# Altium PCB AMC_Box_Mainboard.PcbDoc (part 1 of 8)
Units mil, origin at the board's own origin, x right, y up, seen from the top; angles counter-clockwise.
Board outline 2795.28 x 7874.02 mil, 4 copper layers (TOP, GND, PWR, BTM), stack 63.701 mil thick; 505 components, 378 nets, 1991 pads, 997 vias.
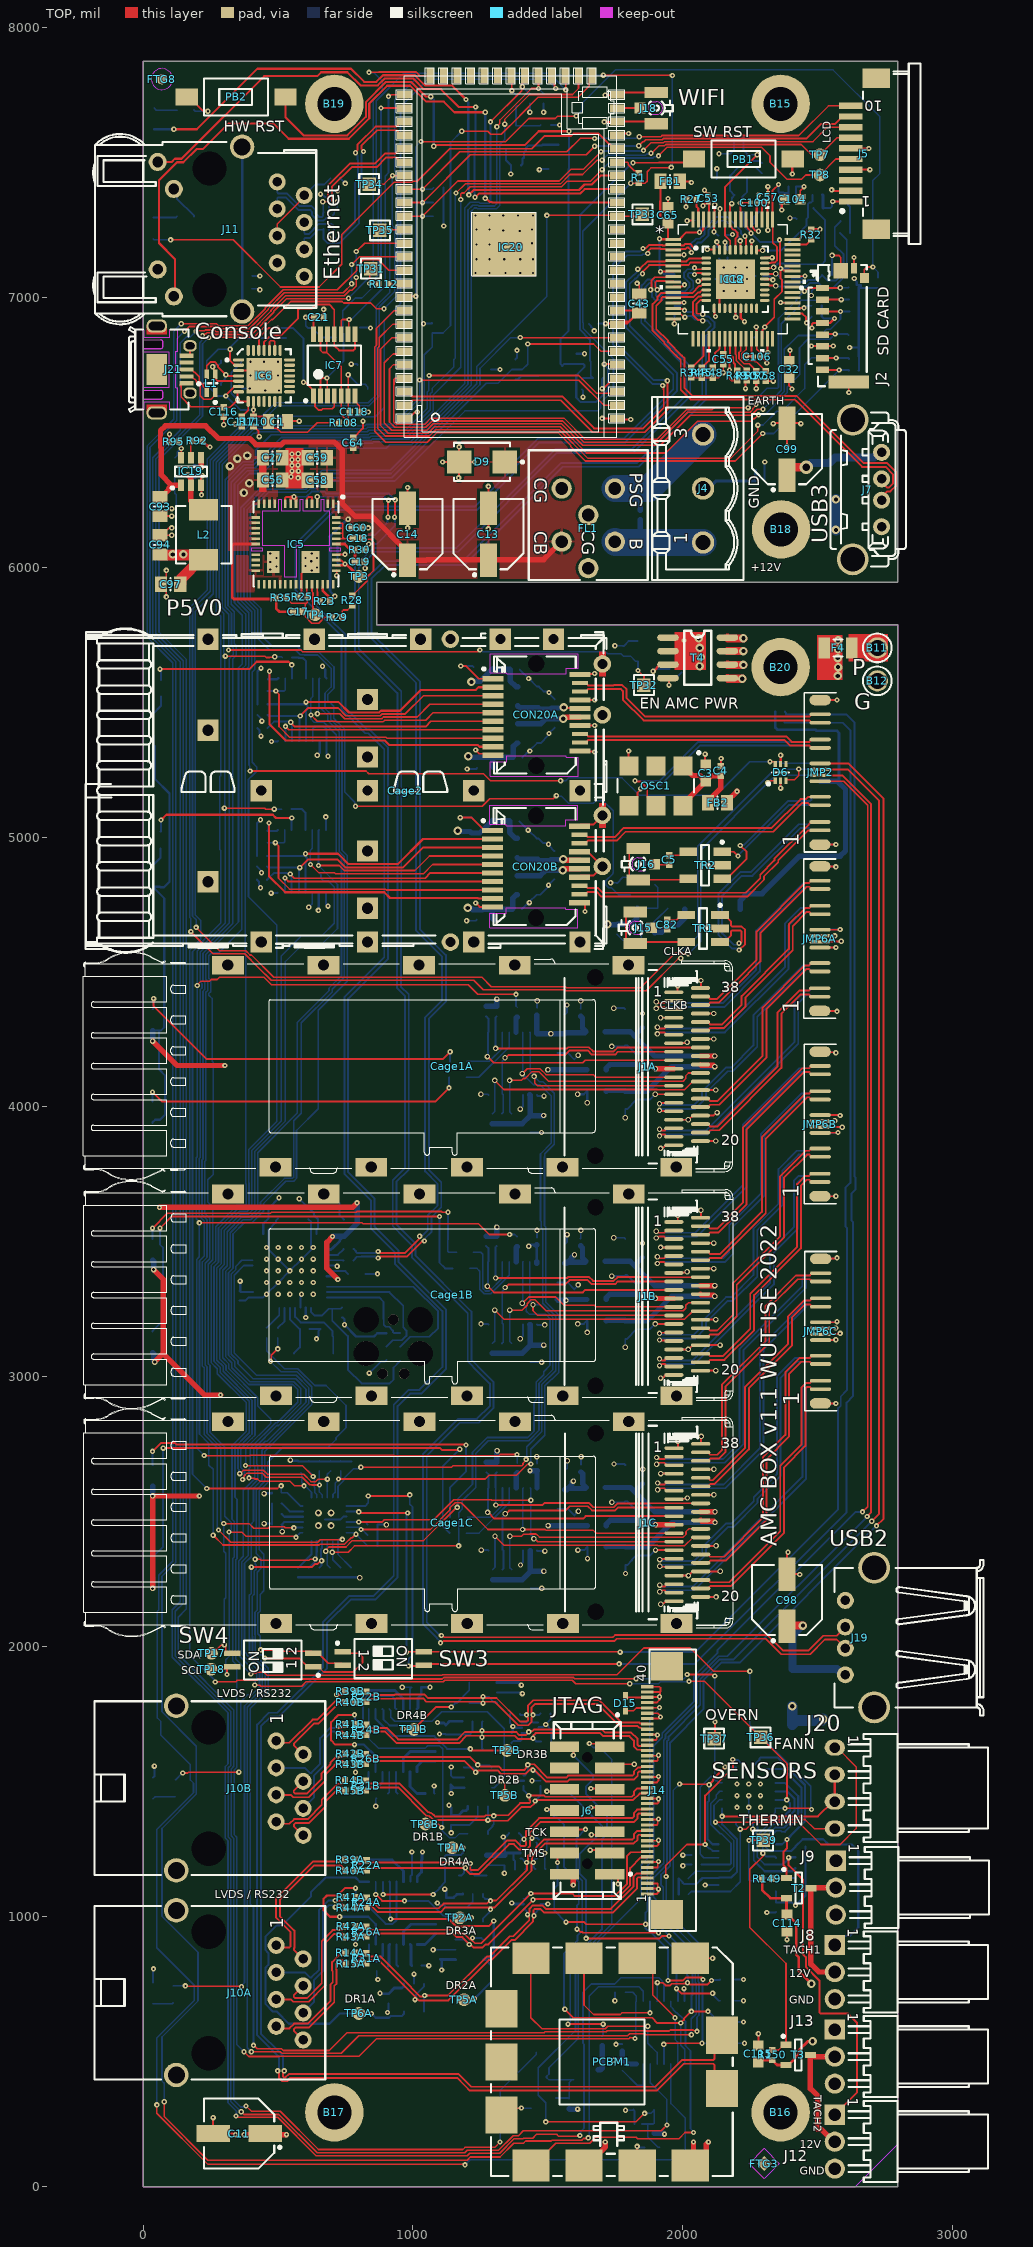
[diagram p0: TOP view]
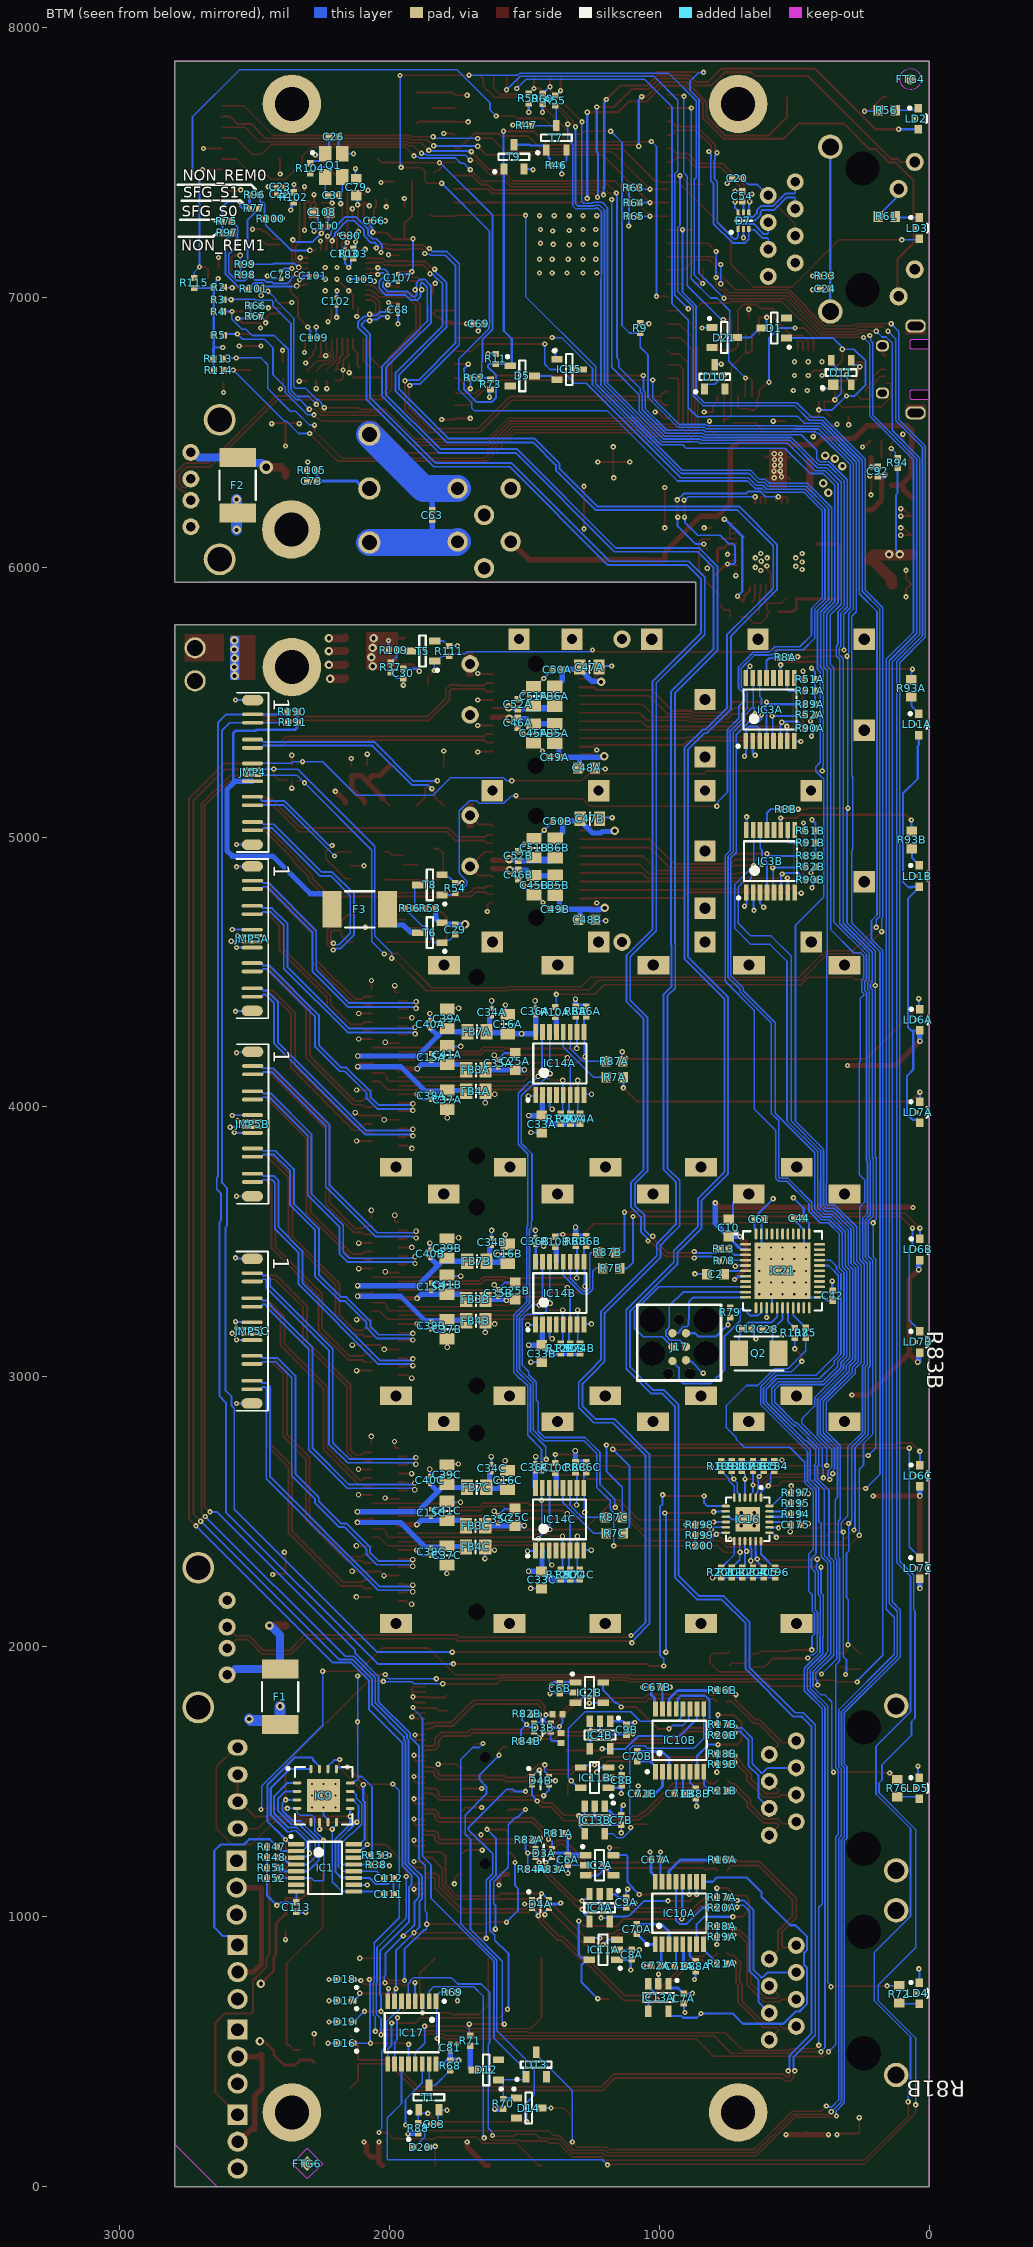
[diagram p1: BTM view, seen from below]
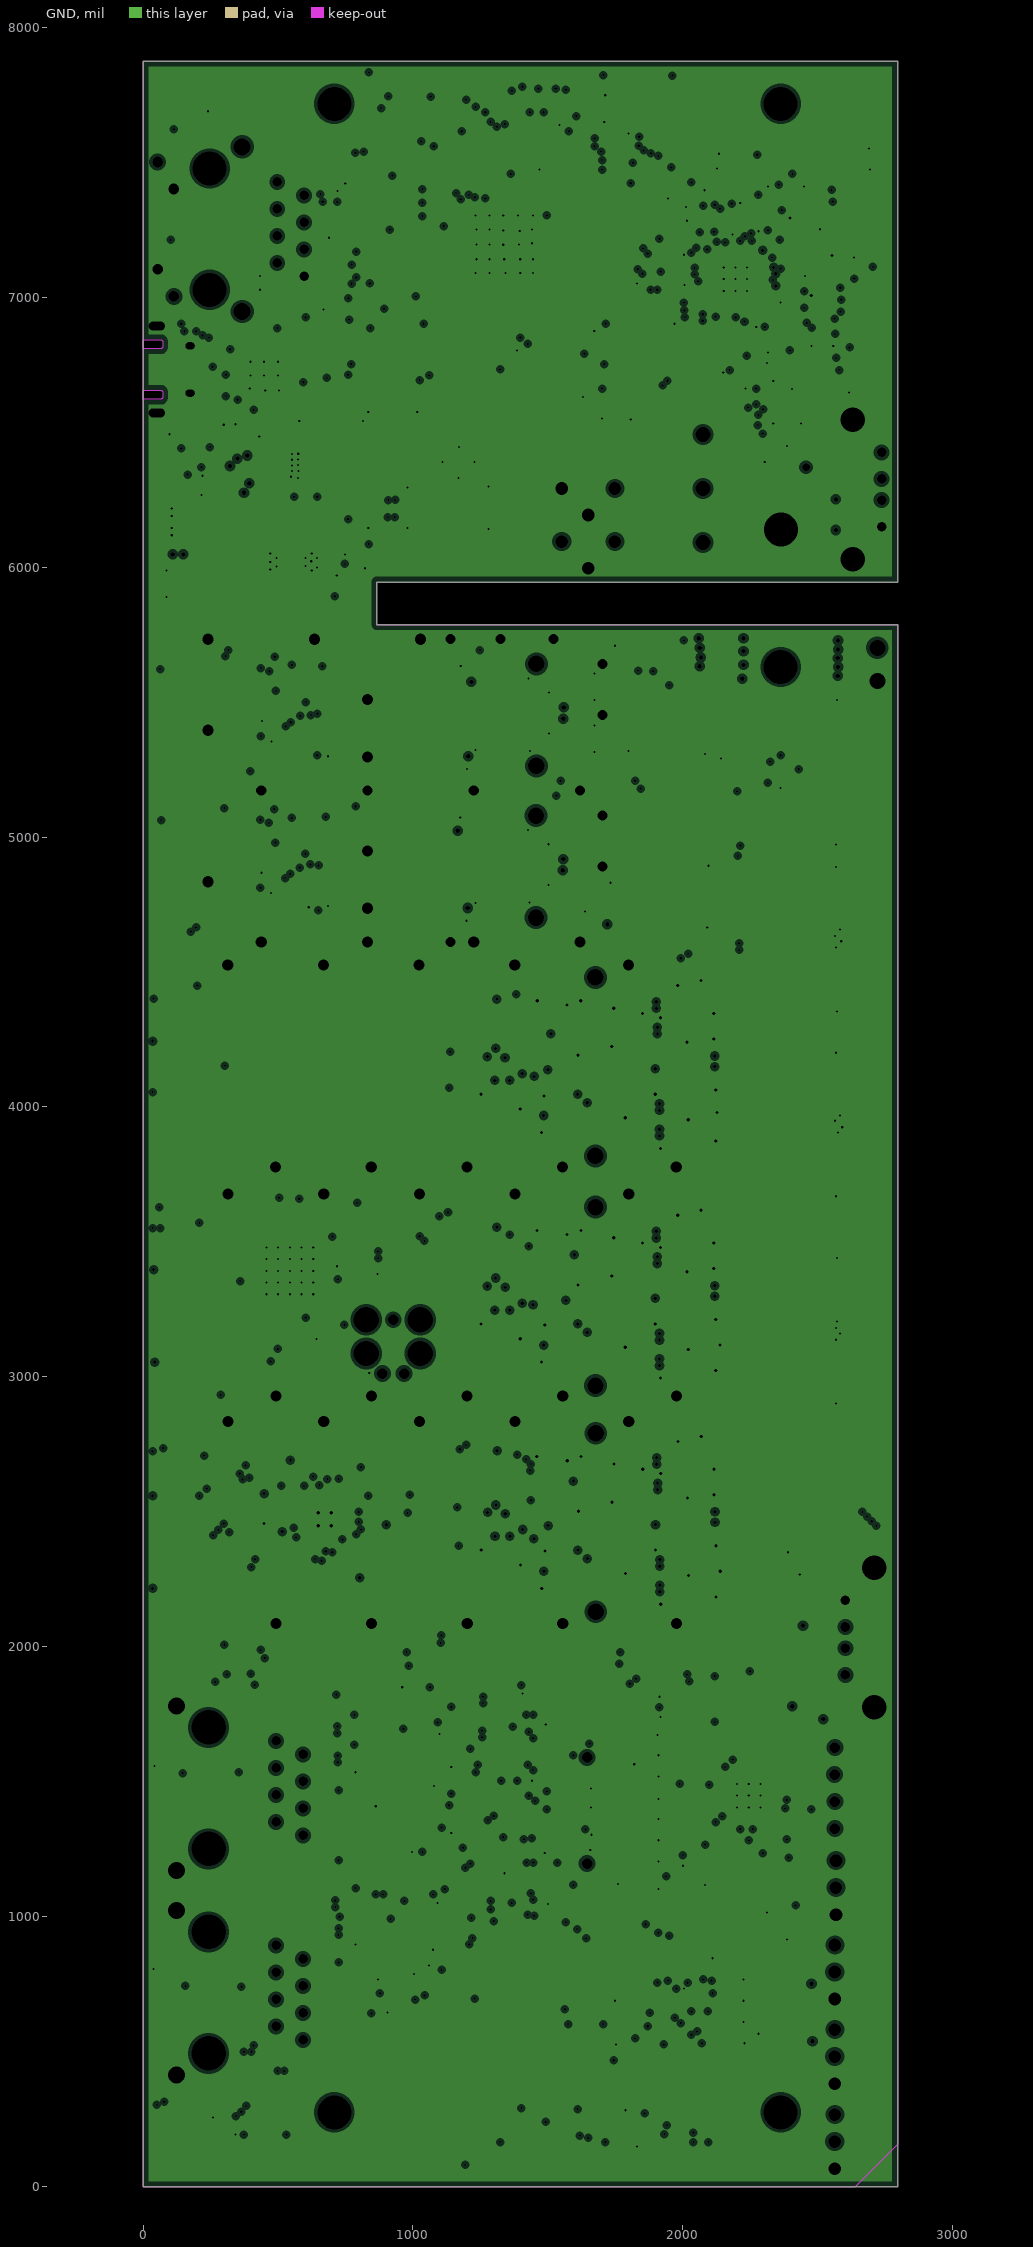
[diagram p2: GND, clearances drawn from the general rule]
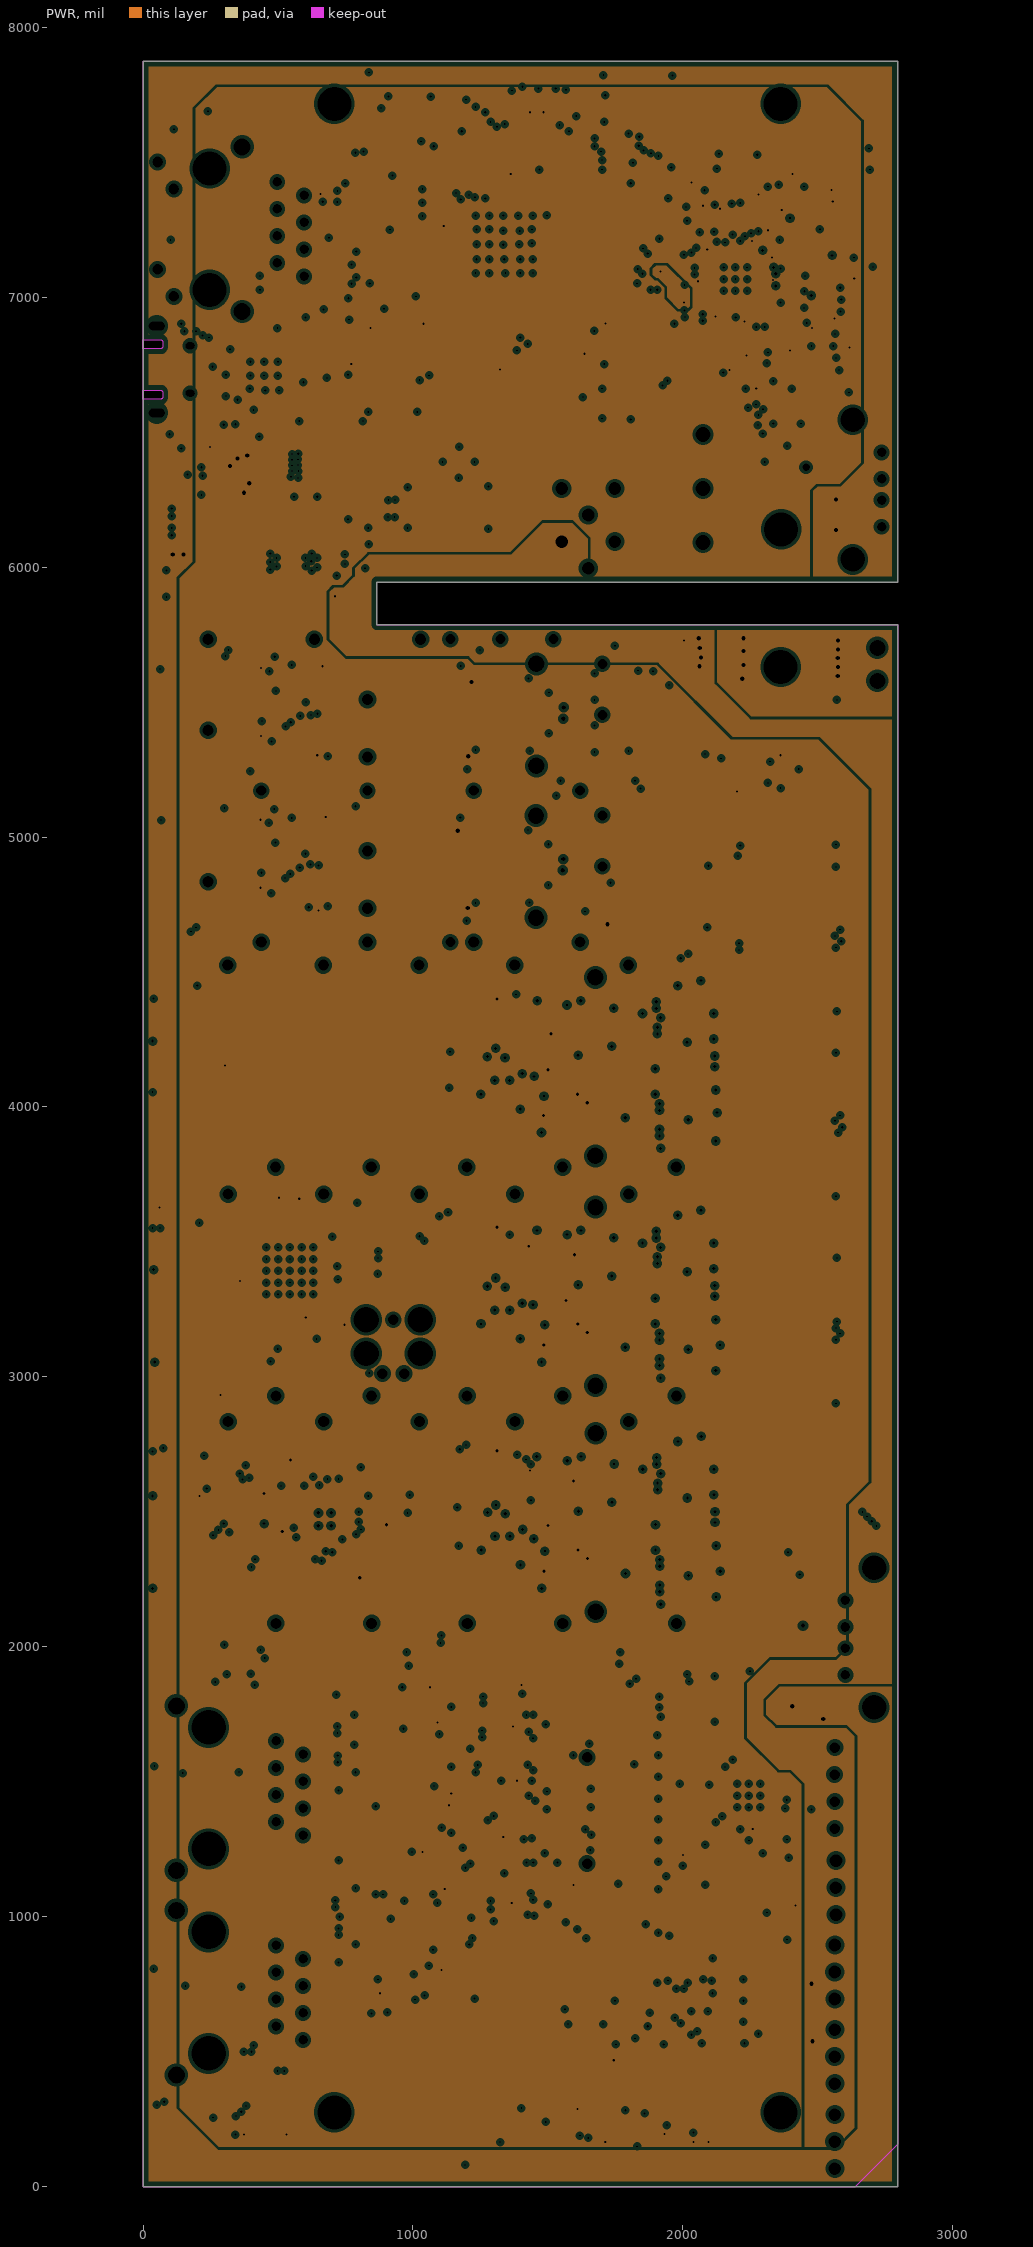
[diagram p3: PWR, clearances drawn from the general rule]
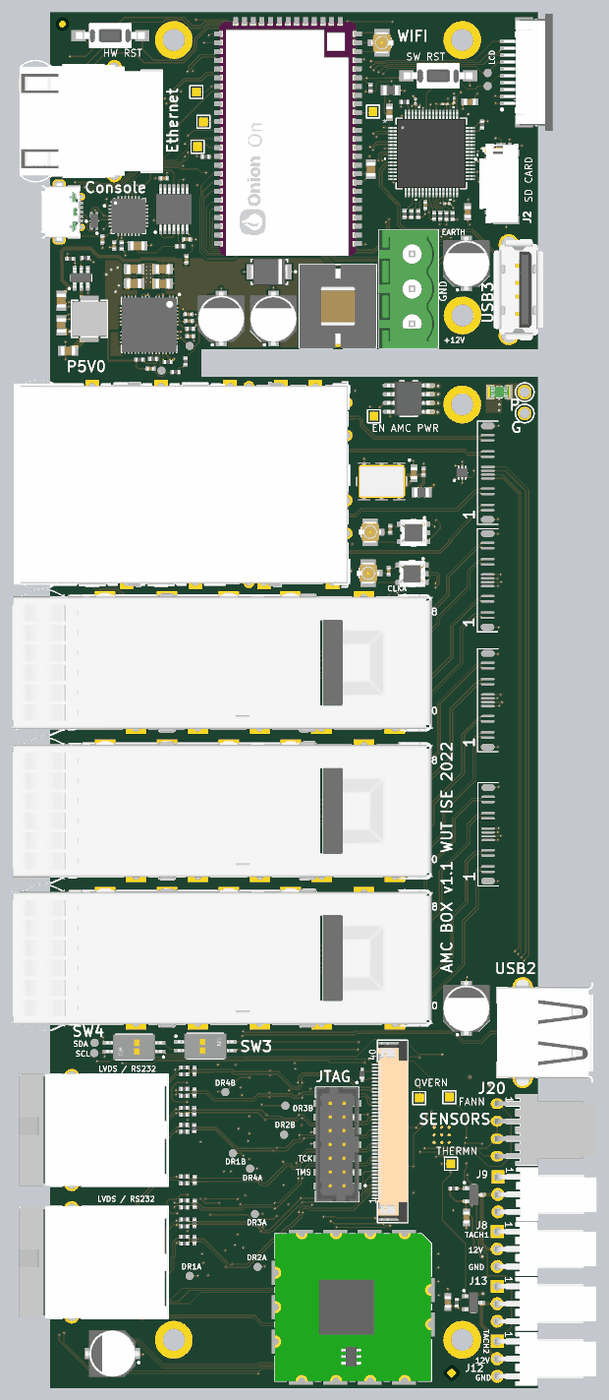
[diagram p11: 3D render of the assembled board from above, using the file's embedded part models]
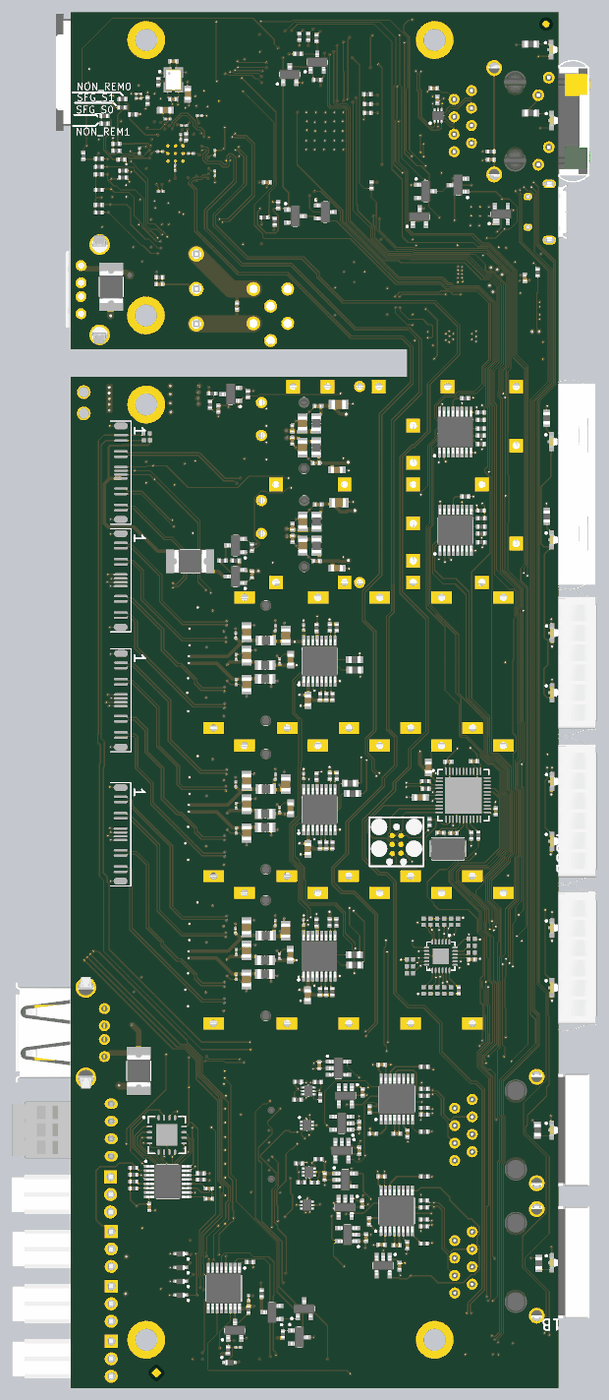
[diagram p12: 3D render of the assembled board from below, using the file's embedded part models]

## Layer stack, top to bottom
Top Solder: solder mask 0.4724, Solder Resist, Dk 3.5
TOP: signal copper 2.0866
Dielectric1: core 7.0866, FR4 IT180-A / S1000-2 0.135mm 18u/18u, Dk 4.5
GND: plane copper 1.4173, net GND
Dielectric2: prepreg 42.5197, FR-4, Dk 4.5
PWR: plane copper 1.4173, net (Multiple Nets)
Dielectric3: core 7.0866, FR4 IT180-A / S1000-2 0.135mm 18u/18u, Dk 4.5
BTM: signal copper 2.0866
Bottom Solder: solder mask 0.4724, Solder Resist, Dk 3.5

## Board outline
0,5787.4 0,7874.02 2795.28,7874.02 2795.28,5944.88 866.14,5944.88 866.14,5787.4 2795.28,5787.4 2795.28,0 0,0

## Design rules (kind name [scope] priority, off if disabled: settings)
AcuteAngle [All] p1: minimum=5.00000000000000E+0001 checktracksonly=FALSE
Clearance Pads_v_pads [InPadClass('All pads') vs InPadClass('All pads')] p1: gap=0.98 ignorepadtopadclearanceinfootprint=FALSE except(0: Arc-Hole Track-Hole SMDPad-Hole THPad-Hole Via-Hole Fill-Hole Poly-Hole Region-Hole Text-Hole)
Clearance poly_vs_impedance [InNetClass('SE') or InNetClass('DE') vs inpoly] p2: gap=19.68 ignorepadtopadclearanceinfootprint=FALSE except(0: Arc-Hole Track-Hole SMDPad-Hole THPad-Hole Via-Hole Fill-Hole Poly-Hole Region-Hole Text-Hole)
Clearance DE&SE_in_room [(InNetClass('DE') OR InNetClass('SE')) and iswire and (WithinRoom('QSFPA') OR WithinRoom('QSFPB') OR WithinRoom('SFP0_AFC') OR WithinRoom('SFP0_ACC') OR WithinRoom('SFP1_AFC') OR WithinRoom('SFP1_ACC') OR WithinRoom('CLK') OR WithinRoom('ETH_CON') OR WithinRoom('IO') OR WithinRoom('USB_UART') OR WithinRoom('U_RPTR_1') OR WithinRoom('U_RPTR_2') OR WithinRoom('U_RPTR_3'))] p3: gap=5.91 ignorepadtopadclearanceinfootprint=FALSE except(0: Arc-Hole Track-Hole SMDPad-Hole THPad-Hole Via-Hole Fill-Hole Poly-Hole Region-Hole Text-Hole)
Clearance DE_vs_DE [InNetClass('DE') and (IsWire) vs InNetClass('DE') and (IsWire)] p4: gap=15.75 ignorepadtopadclearanceinfootprint=FALSE except(0: Arc-Hole Track-Hole SMDPad-Hole THPad-Hole Via-Hole Fill-Hole Poly-Hole Region-Hole Text-Hole)
Clearance DE_vs_12V [(InDifferentialPairClass('All Differential Pairs')) vs InNet('P12V')] p5: gap=15.75 ignorepadtopadclearanceinfootprint=FALSE except(0: Arc-Hole Track-Hole SMDPad-Hole THPad-Hole Via-Hole Fill-Hole Poly-Hole Region-Hole Text-Hole)
Clearance DE_vs_rest [InNetClass('DE') and iswire vs iswire and (not InNetClass('DE'))] p6: gap=15.75 ignorepadtopadclearanceinfootprint=FALSE except(0: Arc-Hole Track-Hole SMDPad-Hole THPad-Hole Via-Hole Fill-Hole Poly-Hole Region-Hole Text-Hole)
Clearance Clearance_ICs [WithinRoom('CPU') OR WithinRoom('ETH_PHY') vs NOT InPoly] p7: gap=4.72 ignorepadtopadclearanceinfootprint=FALSE except(0: Arc-Hole Track-Hole SMDPad-Hole THPad-Hole Via-Hole Fill-Hole Poly-Hole Region-Hole Text-Hole)
Clearance SE_vs_rest [InNetClass('SE') and iswire vs iswire or inpoly] p8: gap=15.75 ignorepadtopadclearanceinfootprint=FALSE except(0: Arc-Hole Track-Hole SMDPad-Hole THPad-Hole Via-Hole Fill-Hole Poly-Hole Region-Hole Text-Hole)
Clearance P12V_Clerance [(InNet('ACC_P12V') or InNet('AFC_P12V') or InNet('P12V'))] p9: gap=9 ignorepadtopadclearanceinfootprint=FALSE
Clearance poly_vs_con [InComponent('CON21') vs inpoly] p10: gap=11.81 ignorepadtopadclearanceinfootprint=FALSE except(0: Arc-Hole Track-Hole SMDPad-Hole THPad-Hole Via-Hole Fill-Hole Poly-Hole Region-Hole Text-Hole)
Clearance poly_vs_power_poly [InPoly AND (InNet('P3V3') OR InNet('P12V') OR InNet('QSFP_P3V3') OR InNet('SFP_P3V3')) vs InPoly] p11: gap=15.75 ignorepadtopadclearanceinfootprint=FALSE except(0: Arc-Hole Track-Hole SMDPad-Hole THPad-Hole Via-Hole Fill-Hole Poly-Hole Region-Hole Text-Hole)
Clearance poly_vs_rest [All vs inpoly] p12: gap=10 ignorepadtopadclearanceinfootprint=FALSE except(0: Arc-Hole Track-Hole SMDPad-Hole THPad-Hole Via-Hole Fill-Hole Poly-Hole Region-Hole Text-Hole)
Clearance [All] p13: gap=4.72 ignorepadtopadclearanceinfootprint=FALSE except(0: Arc-Hole Track-Hole SMDPad-Hole THPad-Hole Via-Hole Fill-Hole Poly-Hole Region-Hole Text-Hole)
ComponentClearance [All] p1: gap=0 collisioncheckmode=3 verticalgap=0 showdistances=FALSE
DiffPairsRouting [All] p1: maxlimit=8 minlimit=7 mostfreqgap=7 toplayer_minwidth=7 toplayer_maxwidth=7 toplayer_prefwidth=7 bottomlayer_minwidth=7 bottomlayer_maxwidth=7 bottomlayer_prefwidth=7 maxuncoupledlength=500
Height [All] p1: minheight=0 maxheight=1181.1 prefheight=1000
HoleSize [All] p1: absolutevalues=TRUE maxlimit=393.7 minlimit=11.81 maxpercent=80.000 minpercent=20.000
HoleToHoleClearance [All] p1: gap=7.87 allowstackedmicrovias=FALSE
MinimumAnnularRing [All] p1: minimumring=3.94
MinimumSolderMaskSliver [All] p1: minsoldermaskwidth=2
PlaneClearance V_SE [InNetClass('SE')] p1: clearance=11.81
PlaneClearance V_DE [InNetClass('DE')] p2: clearance=12.2
PlaneClearance REST_Clearance [All] p3: clearance=11.81
PlaneConnect PlaneConnect_pad [InPadClass('All pads')] p1: planeconnectstyle=Relief reliefexpansion=7.87 reliefentries=4 reliefconductorwidth=19.68 reliefairgap=7.87
PlaneConnect [All] p2: planeconnectstyle=Direct reliefexpansion=20 reliefentries=4 reliefconductorwidth=10 reliefairgap=10
PolygonConnect PolygonConnect_Vias [IsVIa] p1: connectstyle=Direct reliefconductorwidth=10 reliefentries=4 polygonreliefangle="90 Angle" airgapwidth=10
PolygonConnect [All] p2: connectstyle=Relief reliefconductorwidth=9.84 reliefentries=4 polygonreliefangle="90 Angle" airgapwidth=10
RoomDefinition U_QSFP0 [InComponentClass('U_QSFP0')] p1: confinementstyle=ConfineIn formatcopy=TRUE lockcomponents=FALSE outline -212.6,3775.36 2440.02,3775.36 2440.02,4525.55 -212.6,4525.55
RoomDefinition U_QSFP2 [InComponentClass('U_QSFP2')] p2: confinementstyle=ConfineIn formatcopy=TRUE lockcomponents=FALSE outline -211.67,2086.61 2440.94,2086.61 2440.94,2836.81 -211.67,2836.81
RoomDefinition U_QSFP1 [InComponentClass('U_QSFP1')] p3: confinementstyle=ConfineIn formatcopy=TRUE lockcomponents=FALSE outline -212.48,2924.65 2440.14,2924.65 2440.14,3674.84 -212.48,3674.84
RoomDefinition U_clocking [InComponentClass('U_clocking')] p4: confinementstyle=ConfineIn formatcopy=TRUE lockcomponents=FALSE outline 2253.54,4778.54 1525.2,4778.54 1525.2,5723.43 2253.54,5723.43
RoomDefinition U_USB_UART [InComponentClass('U_USB_UART')] p5: confinementstyle=ConfineIn formatcopy=TRUE lockcomponents=FALSE outline -507.08,6464.57 -507.08,7018.21 862.2,7018.21 862.2,6464.57
RoomDefinition U_USB_I2C_Bridge [InComponentClass('U_USB_I2C_Bridge')] p6: confinementstyle=ConfineIn formatcopy=TRUE lockcomponents=FALSE outline 299.21,3629.92 299.21,3011.81 1035.43,3011.81 1035.43,3629.92
RoomDefinition U_USB_Hub_AMCbox [InComponentClass('U_USB_Hub_AMCbox')] p7: confinementstyle=ConfineIn formatcopy=TRUE lockcomponents=FALSE outline 2304.43,8096.92 4029.6,8096.92 4029.6,8766.79 2304.43,8766.79
RoomDefinition U_JTAG_AMC_Box [InComponentClass('U_JTAG_AMC_Box')] p8: confinementstyle=ConfineIn formatcopy=TRUE lockcomponents=FALSE outline 4026.83,10056.83 7117.43,10056.83 7117.43,11037.56 4026.83,11037.56
RoomDefinition AMC_Box_Mainboard [InComponentClass('AMC_Box_Mainboard')] p9: confinementstyle=ConfineIn formatcopy=TRUE lockcomponents=FALSE outline 7496,3366.56 7610.18,3366.56 7610.18,3512.23 7496,3512.23
RoomDefinition U_I2C_SW [InComponentClass('U_I2C_SW')] p10: confinementstyle=ConfineIn formatcopy=TRUE lockcomponents=FALSE outline 929.13,2728.35 929.13,2236.22 417.32,2236.22 417.32,2728.35
RoomDefinition Thermal_MGT [InComponentClass('Thermal_MGT')] p11: confinementstyle=ConfineIn formatcopy=TRUE lockcomponents=FALSE outline 4366.35,4961.88 5547.46,4961.88 5547.46,2855.58 4366.35,2855.58
RoomDefinition U_IO2 [InComponentClass('U_IO2')] p12: confinementstyle=ConfineIn formatcopy=TRUE lockcomponents=FALSE outline -226.38,1155.12 1633.86,1155.12 1633.86,1798.43 -226.38,1798.43
RoomDefinition U_IO1 [InComponentClass('U_IO1')] p13: confinementstyle=ConfineIn formatcopy=TRUE lockcomponents=FALSE outline -225.2,397.24 740.16,397.24 740.16,1040.55 -225.2,1040.55
RoomDefinition U_LCD [InComponentClass('U_LCD')] p14: confinementstyle=ConfineIn formatcopy=TRUE lockcomponents=FALSE outline 2755.91,7161.42 2559.06,7161.42 2559.06,7870.08 2755.91,7870.08
RoomDefinition U_CPU [InComponentClass('U_CPU')] p15: confinementstyle=ConfineIn formatcopy=TRUE lockcomponents=FALSE outline -236.22,7874.02 1850.39,7874.02 1850.39,6456.69 -236.22,6456.69
RoomDefinition U_SFP2 [InComponentClass('U_SFP2')] p16: confinementstyle=ConfineIn formatcopy=TRUE lockcomponents=FALSE outline -214.37,5196.85 1715.55,5196.85 1715.55,4610.28 -214.37,4610.28
RoomDefinition U_Supply [InComponentClass('U_Supply')] p17: confinementstyle=ConfineIn formatcopy=TRUE lockcomponents=FALSE outline 409.45,5964.57 1062.99,5964.57 1062.99,6338.58 409.45,6338.58
RoomDefinition U_SFP1 [InComponentClass('U_SFP1')] p18: confinementstyle=ConfineIn formatcopy=TRUE lockcomponents=FALSE outline -212.6,5758.82 1717.32,5758.82 1717.32,5172.24 -212.6,5172.24
RoutingVias [All] p1: holewidth=11.81 width=19.68 viastyle="Through Hole" minholewidth=11.81 minwidth=19.68 maxholewidth=78.74 maxwidth=78.74 useviatemplates=TRUE viatemplateguid#1={9F03FB75-65B9-43ED-8735-0FD0C45B5E6D} viatemplateguid#2={622ADAB5-9AA0-467F-AADC-0398FD3B3C12} viatemplateguid#3={68465192-3C11-4000-A54F-210BDF9D86B4} viatemplateguid#4={71AF90AB-C196-43C9-B25B-D826173FB27C} viatemplateguid#5={ED64124B-438D-4BE6-97C5-ABAF1CE38853} viatemplatename#1=v50h20m0mx0 viatemplatename#2=v51h30m0mx0 viatemplatename#3=v66h33m0mx0 viatemplatename#4=v80h40m0mx0 viatemplatename#5=v127h71m0mx0
SilkToSilkClearance [All] p1: silktosilkclearance=0.98
SilkToSolderMaskClearance SilkscreenOverComponentPads [IsPad] p1: minsilkscreentomaskgap=0.98 clearancetoexposedcopper=TRUE
SolderMaskExpansion [All] p1: expansion=2 istentingtop=FALSE
ViasUnderSMD [All] p1: allowed=FALSE
Width POWER_WIDTH [InNetClass('POWER')] p1: maxlimit=393.7 minlimit=7.87 preferedwidth=7.87 minimp=50.000000 maximp=50.000000 favimp=50.000000
Width SE [InNetClass('SE')] p2: maxlimit=5.12 minlimit=5.12 preferedwidth=5.12 minimp=50.000000 maximp=50.000000 favimp=50.000000
Width DE100 [(InDifferentialPairClass('All Differential Pairs'))] p3: maxlimit=4.33 minlimit=4.33 preferedwidth=4.33 minimp=50.000000 maximp=50.000000 favimp=50.000000
Width [All] p4: maxlimit=393.7 minlimit=6 preferedwidth=7.87
20 further rules are at their usual default settings.
